# KiCad board panel.kicad_pcb (continued)
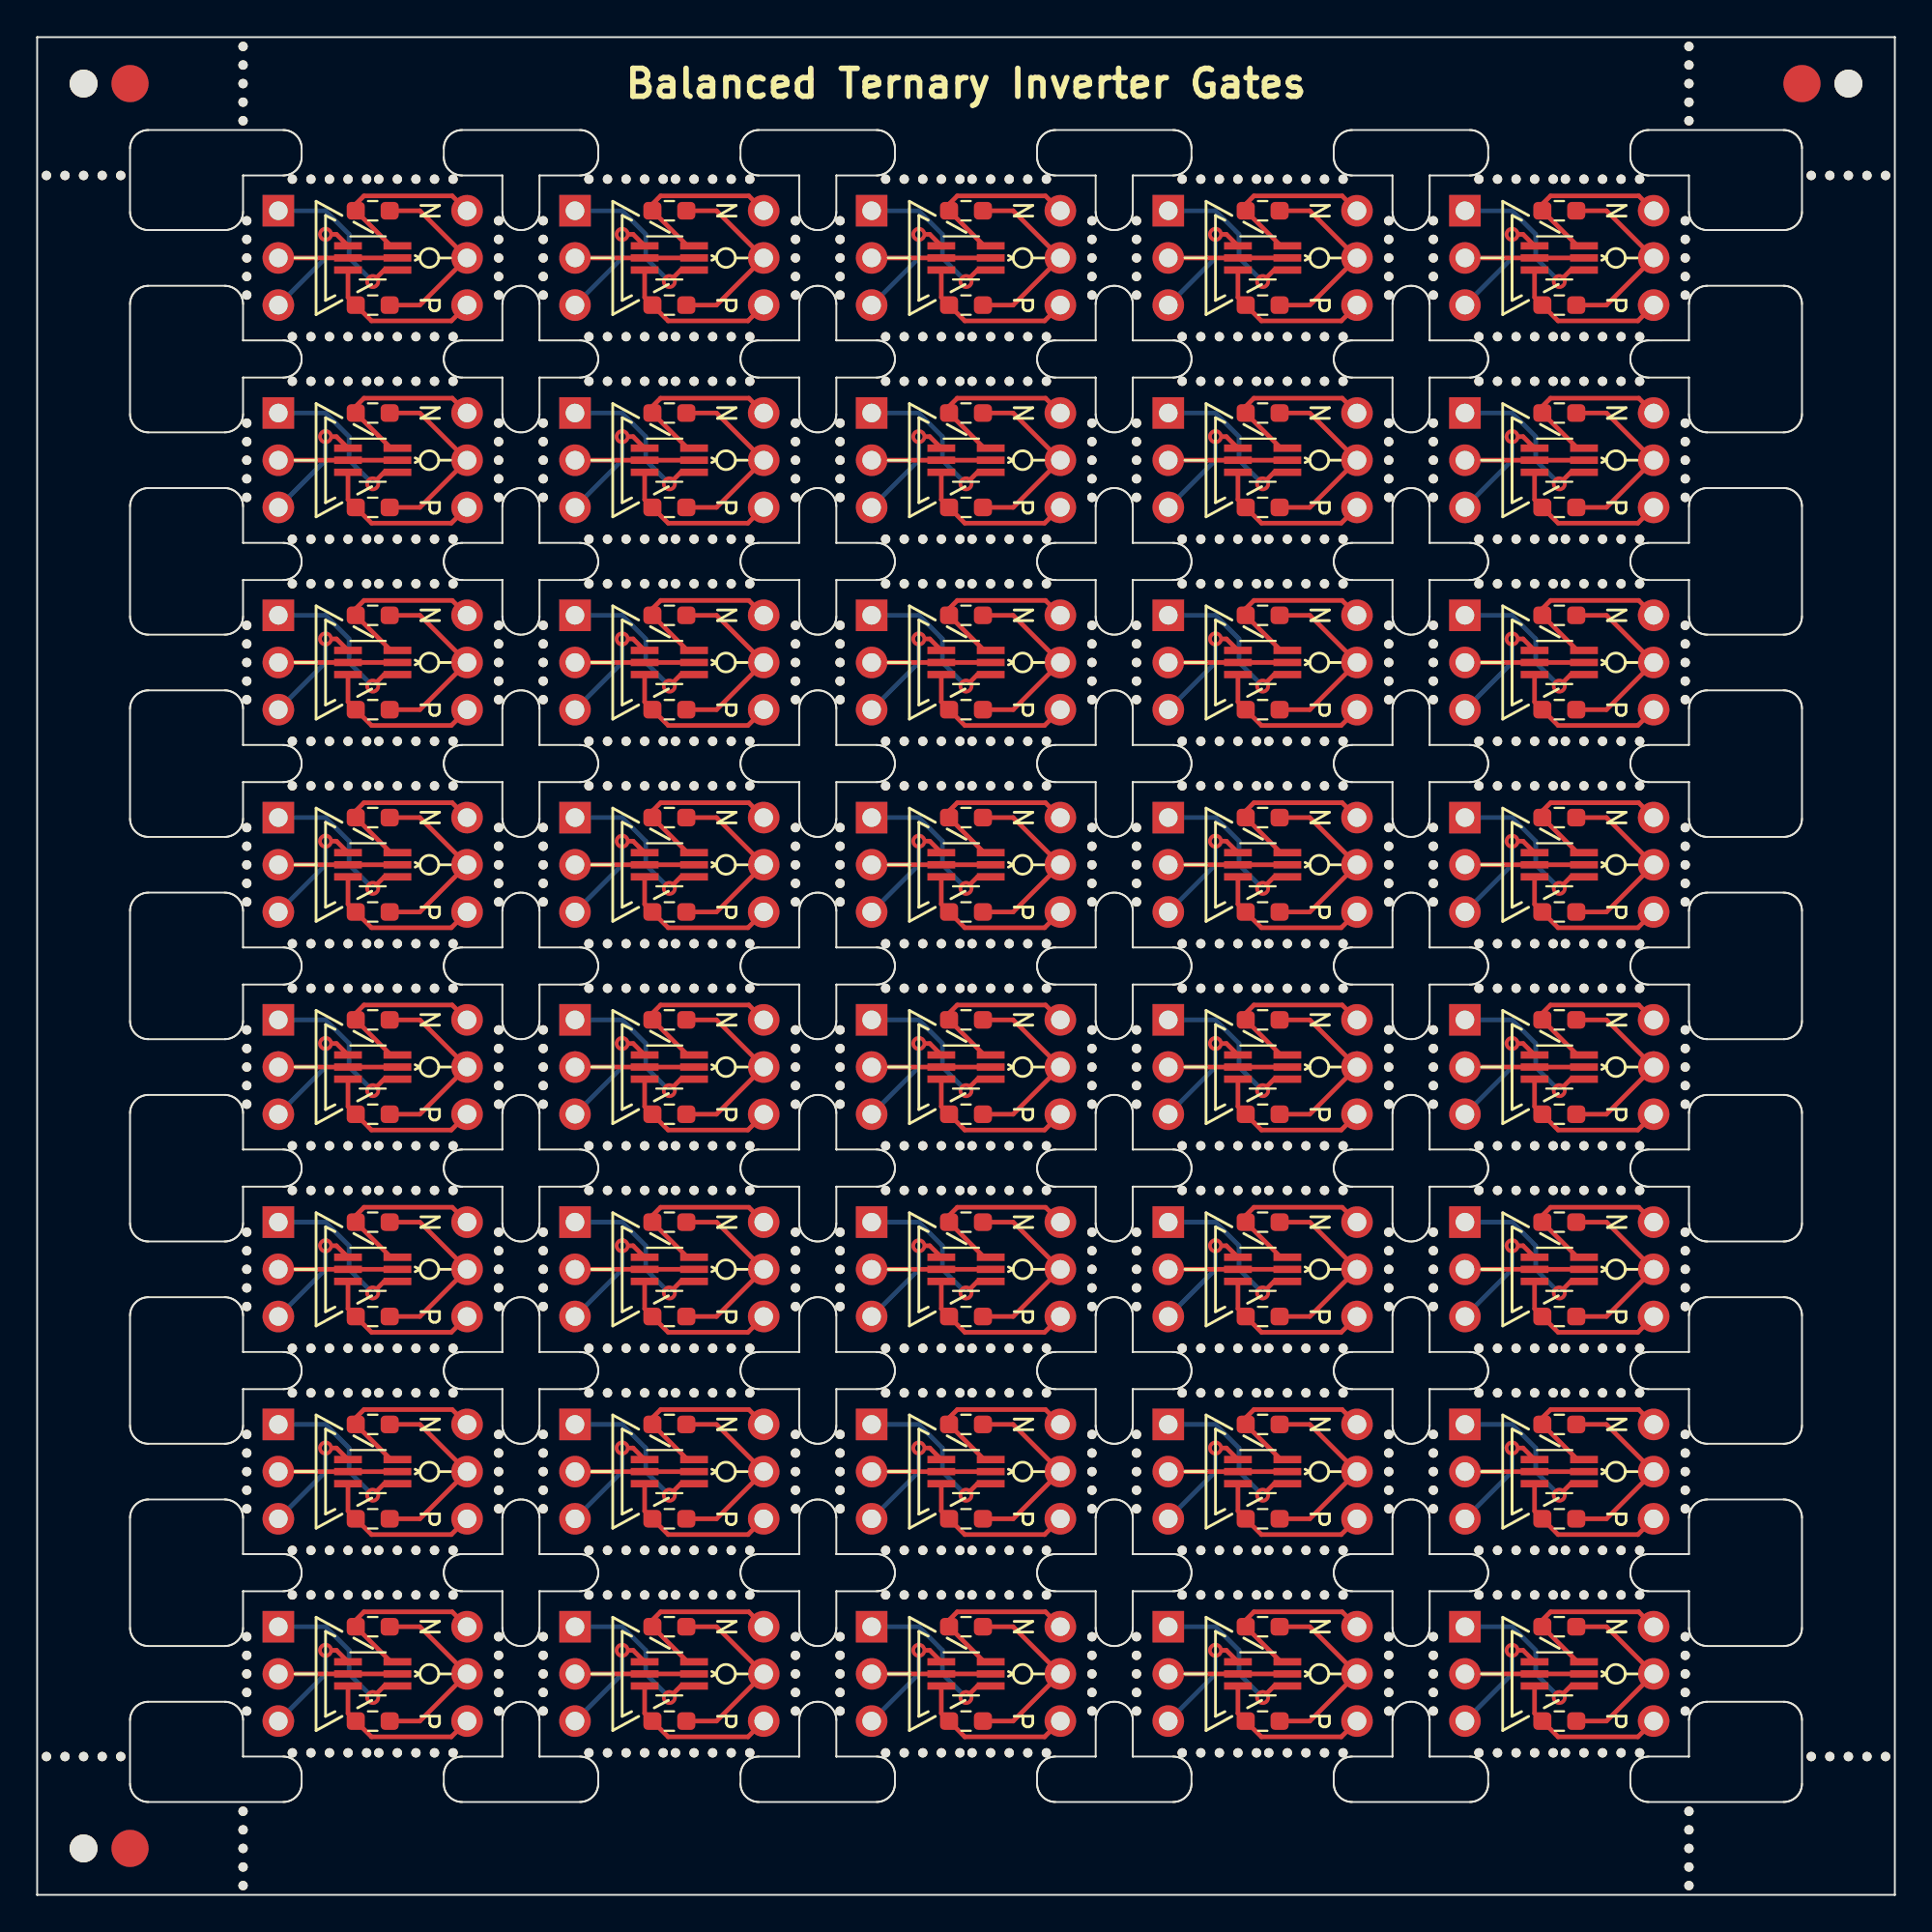
[diagram p0: board, top side]
## Placement (name value [footprint] x y rotation side) (continued)
REF**#854  -  [NPTH]  75.17 68.35 0 top
REF**#855  -  [NPTH]  16.74 62.11 0 top
REF**#856  -  [NPTH]  40.83 90.13 0 top
REF**#857  -  [NPTH]  79.62 83.89 0 top
REF**#858  -  [NPTH]  34.37 27.03 0 top
REF**#859  -  [NPTH]  27.24 79.24 0 top
REF**#860  -  [NPTH]  59.19 89.13 0 top
REF**#861  -  [NPTH]  84.27 62.11 0 top
REF**#862  -  [NPTH]  14.74 81.49 0 top
REF**#863  -  [NPTH]  32.7 83.89 0 top
REF**#864  -  [NPTH]  79.62 37.93 0 top
REF**#865  -  [NPTH]  85.27 37.93 0 top
REF**#866  -  [NPTH]  78.62 7.65 0 top
REF**#867  -  [NPTH]  75.17 45.57 0 top
REF**#868  -  [NPTH]  59.19 67.35 0 top
REF**#869  -  [NPTH]  51.33 92.37 0 top
REF**#870  -  [NPTH]  78.62 29.43 0 top
REF**#871  -  [NPTH]  36.37 72.99 0 top
REF**#872  -  [NPTH]  11.09 98.51 0 top
REF**#873  -  [NPTH]  72.77 64.35 0 top
REF**#874  -  [NPTH]  63.64 59.71 0 top
REF**#875  -  [NPTH]  61.64 72.99 0 top
REF**#876  -  [NPTH]  11.29 64.35 0 top
REF**#877  -  [NPTH]  88.92 0.5 0 top
REF**#878  -  [NPTH]  24.84 66.35 0 top
REF**#879  -  [NPTH]  48.68 81.49 0 top
REF**#880  -  [NPTH]  35.37 40.33 0 top
REF**#881  -  [NPTH]  35.37 37.93 0 top
REF**#882  -  [NPTH]  63.64 72.99 0 top
REF**#883  -  [NPTH]  35.37 92.37 0 top
REF**#884  -  [NPTH]  16.74 51.21 0 top
REF**#885  -  [NPTH]  19.39 81.49 0 top
REF**#886  -  [NPTH]  11.29 31.68 0 top
REF**#887  -  [NPTH]  37.37 7.65 0 top
REF**#888  -  [NPTH]  75.17 86.13 0 top
REF**#889  -  [NPTH]  11.29 12.9 0 top
REF**#890  -  [NPTH]  62.64 27.03 0 top
REF**#891  -  [NPTH]  31.7 81.49 0 top
REF**#892  -  [NPTH]  79.62 27.03 0 top
REF**#893  -  [NPTH]  14.74 92.37 0 top
REF**#894  -  [NPTH]  56.78 34.68 0 top
REF**#895  -  [NPTH]  29.7 81.49 0 top
REF**#896  -  [NPTH]  75.17 66.35 0 top
REF**#897  -  [NPTH]  52.33 70.59 0 top
REF**#898  -  [NPTH]  49.68 27.03 0 top
REF**#899  -  [NPTH]  31.7 16.15 0 top
REF**#900  -  [NPTH]  52.33 18.55 0 top
REF**#901  -  [NPTH]  50.33 72.99 0 top
REF**#902  -  [NPTH]  31.7 7.65 0 top
REF**#903  -  [NPTH]  88.72 21.79 0 top
REF**#904  -  [NPTH]  53.33 7.65 0 top
REF**#905  -  [NPTH]  15.74 70.59 0 top
REF**#906  -  [NPTH]  11.29 77.24 0 top
REF**#907  -  [NPTH]  34.37 18.55 0 top
REF**#908  -  [NPTH]  14.74 62.11 0 top
REF**#909  -  [NPTH]  66.31 37.93 0 top
REF**#910  -  [NPTH]  29.7 40.33 0 top
REF**#911  -  [NPTH]  43.23 42.57 0 top
REF**#912  -  [NPTH]  51.33 40.33 0 top
REF**#913  -  [NPTH]  48.68 62.11 0 top
REF**#914  -  [NPTH]  27.24 32.68 0 top
REF**#915  -  [NPTH]  62.64 29.43 0 top
REF**#916  -  [NPTH]  37.37 72.99 0 top
REF**#917  -  [NPTH]  86.27 48.81 0 top
REF**#918  -  [NPTH]  53.33 59.71 0 top
REF**#919  -  [NPTH]  88.72 31.68 0 top
REF**#920  -  [NPTH]  70.31 18.55 0 top
REF**#921  -  [NPTH]  45.68 70.59 0 top
REF**#922  -  [NPTH]  80.62 48.81 0 top
REF**#923  -  [NPTH]  47.68 7.65 0 top
REF**#924  -  [NPTH]  31.7 59.71 0 top
REF**#925  -  [NPTH]  82.27 51.21 0 top
REF**#926  -  [NPTH]  21.39 92.37 0 top
REF**#927  -  [NPTH#2]  97.51 97.51 0 top
REF**#928  -  [NPTH]  43.23 23.79 0 top
REF**#929  -  [NPTH]  63.64 51.21 0 top
REF**#930  -  [NPTH]  65.64 72.99 0 top
REF**#931  -  [NPTH]  86.27 37.93 0 top
REF**#932  -  [NPTH]  78.62 59.71 0 top
REF**#933  -  [NPTH]  88.72 33.68 0 top
REF**#934  -  [NPTH]  54.33 62.11 0 top
REF**#935  -  [NPTH]  24.84 57.46 0 top
REF**#936  -  [NPTH]  30.7 48.81 0 top
REF**#937  -  [NPTH]  88.92 96.51 0 top
REF**#938  -  [NPTH]  11.29 53.46 0 top
REF**#939  -  [NPTH]  59.19 76.24 0 top
REF**#940  -  [NPTH]  32.7 27.03 0 top
REF**#941  -  [NPTH]  82.27 59.71 0 top
REF**#942  -  [NPTH]  88.72 89.13 0 top
REF**#943  -  [NPTH]  75.17 77.24 0 top
REF**#944  -  [NPTH]  40.83 23.79 0 top
REF**#945  -  [NPTH]  27.24 53.46 0 top
REF**#946  -  [NPTH]  11.09 0.5 0 top
REF**#947  -  [NPTH]  32.7 7.65 0 top
REF**#948  -  [NPTH]  46.68 59.71 0 top
REF**#949  -  [NPTH]  11.29 9.9 0 top
REF**#950  -  [NPTH]  11.29 57.46 0 top
REF**#951  -  [NPTH]  47.68 81.49 0 top
REF**#952  -  [NPTH]  83.27 83.89 0 top
REF**#953  -  [NPTH]  34.37 70.59 0 top
REF**#954  -  [NPTH]  27.24 86.13 0 top
REF**#955  -  [NPTH]  20.39 70.59 0 top
REF**#956  -  [NPTH]  1.5 92.57 0 top
REF**#957  -  [NPTH]  64.64 92.37 0 top
REF**#958  -  [NPTH]  33.7 27.03 0 top
REF**#959  -  [NPTH]  14.74 37.93 0 top
REF**#960  -  [NPTH]  88.72 65.35 0 top
REF**#961  -  [NPTH]  81.62 81.49 0 top
REF**#962  -  [NPTH]  34.37 62.11 0 top
REF**#963  -  [NPTH]  95.51 7.45 0 top
REF**#964  -  [NPTH]  72.77 43.57 0 top
REF**#965  -  [NPTH]  40.83 87.13 0 top
REF**#966  -  [NPTH#2]  2.5 97.51 0 top
REF**#967  -  [NPTH]  35.37 72.99 0 top
REF**#968  -  [NPTH]  75.17 12.9 0 top
REF**#969  -  [NPTH]  32.7 59.71 0 top
REF**#970  -  [NPTH]  27.24 89.13 0 top
REF**#971  -  [NPTH]  59.19 45.57 0 top
REF**#972  -  [NPTH]  51.33 62.11 0 top
REF**#973  -  [NPTH]  36.37 7.65 0 top
REF**#974  -  [NPTH]  15.74 81.49 0 top
REF**#975  -  [NPTH]  40.83 13.9 0 top
REF**#976  -  [NPTH]  68.31 7.65 0 top
REF**#977  -  [NPTH]  61.64 59.71 0 top
REF**#978  -  [NPTH]  43.23 46.57 0 top
REF**#979  -  [NPTH]  14.74 7.65 0 top
REF**#980  -  [NPTH]  24.84 67.35 0 top
REF**#981  -  [NPTH]  85.27 7.65 0 top
REF**#982  -  [NPTH]  27.24 65.35 0 top
REF**#983  -  [NPTH]  22.39 62.11 0 top
REF**#984  -  [NPTH]  72.77 55.46 0 top
REF**#985  -  [NPTH]  75.17 21.79 0 top
REF**#986  -  [NPTH]  70.31 48.81 0 top
REF**#987  -  [NPTH]  66.31 62.11 0 top
REF**#988  -  [NPTH]  80.62 81.49 0 top
REF**#989  -  [NPTH]  11.29 33.68 0 top
REF**#990  -  [NPTH]  75.17 33.68 0 top
REF**#991  -  [NPTH]  84.27 29.43 0 top
REF**#992  -  [NPTH]  36.37 59.71 0 top
REF**#993  -  [NPTH]  45.68 7.65 0 top
REF**#994  -  [NPTH]  37.37 92.37 0 top
REF**#995  -  [NPTH]  88.72 77.24 0 top
REF**#996  -  [NPTH]  47.68 29.43 0 top
REF**#997  -  [NPTH]  82.27 40.33 0 top
REF**#998  -  [NPTH]  81.62 16.15 0 top
REF**#999  -  [NPTH]  15.74 72.99 0 top
REF**#1000  -  [NPTH]  45.68 27.03 0 top
REF**#1001  -  [NPTH]  36.37 83.89 0 top
REF**#1002  -  [NPTH]  84.27 92.37 0 top
REF**#1003  -  [NPTH]  66.31 72.99 0 top
REF**#1004  -  [NPTH]  79.62 72.99 0 top
REF**#1005  -  [NPTH]  48.68 51.21 0 top
REF**#1006  -  [NPTH]  46.68 92.37 0 top
REF**#1007  -  [NPTH]  85.27 62.11 0 top
REF**#1008  -  [NPTH]  32.7 51.21 0 top
REF**#1009  -  [NPTH]  49.68 18.55 0 top
REF**#1010  -  [NPTH]  20.39 37.93 0 top
REF**#1011  -  [NPTH]  75.17 78.24 0 top
REF**#1012  -  [NPTH]  11.29 21.79 0 top
REF**#1013  -  [NPTH]  56.78 66.35 0 top
REF**#1014  -  [NPTH]  80.62 16.15 0 top
REF**#1015  -  [NPTH]  43.23 89.13 0 top
REF**#1016  -  [NPTH]  88.92 98.51 0 top
REF**#1017  -  [NPTH]  29.7 59.71 0 top
REF**#1018  -  [NPTH]  82.27 92.37 0 top
REF**#1019  -  [NPTH]  32.7 81.49 0 top
REF**#1020  -  [NPTH]  56.78 45.57 0 top
REF**#1021  -  [NPTH]  24.84 22.79 0 top
REF**#1022  -  [NPTH]  34.37 81.49 0 top
REF**#1023  -  [NPTH]  77.62 40.33 0 top
REF**#1024  -  [NPTH]  19.39 18.55 0 top
REF**#1025  -  [NPTH]  53.33 81.49 0 top
REF**#1026  -  [NPTH]  72.77 31.68 0 top
REF**#1027  -  [NPTH]  40.83 64.35 0 top
REF**#1028  -  [NPTH]  29.7 27.03 0 top
REF**#1029  -  [NPTH]  51.33 27.03 0 top
REF**#1030  -  [NPTH]  15.74 7.65 0 top
REF**#1031  -  [NPTH]  49.68 83.89 0 top
REF**#1032  -  [NPTH]  31.7 62.11 0 top
REF**#1033  -  [NPTH]  62.64 40.33 0 top
REF**#1034  -  [NPTH]  34.37 59.71 0 top
REF**#1035  -  [NPTH]  68.31 40.33 0 top
REF**#1036  -  [NPTH]  43.23 44.57 0 top
REF**#1037  -  [NPTH]  59.19 44.57 0 top
REF**#1038  -  [NPTH]  86.27 81.49 0 top
REF**#1039  -  [NPTH]  66.31 29.43 0 top
REF**#1040  -  [NPTH]  24.84 32.68 0 top
REF**#1041  -  [NPTH]  86.27 18.55 0 top
REF**#1042  -  [NPTH]  45.68 40.33 0 top
REF**#1043  -  [NPTH]  27.24 78.24 0 top
REF**#1044  -  [NPTH]  68.31 27.03 0 top
REF**#1045  -  [NPTH]  78.62 48.81 0 top
REF**#1046  -  [NPTH]  40.83 33.68 0 top
REF**#1047  -  [NPTH]  88.72 45.57 0 top
REF**#1048  -  [NPTH]  15.74 59.71 0 top
REF**#1049  -  [NPTH]  27.24 34.68 0 top
REF**#1050  -  [NPTH]  79.62 7.65 0 top
REF**#1051  -  [NPTH]  59.19 77.24 0 top
REF**#1052  -  [NPTH]  80.62 70.59 0 top
REF**#1053  -  [NPTH]  17.74 72.99 0 top
REF**#1054  -  [NPTH]  75.17 75.24 0 top
REF**#1055  -  [NPTH]  88.72 66.35 0 top
REF**#1056  -  [NPTH]  70.31 81.49 0 top
REF**#1057  -  [NPTH]  62.64 51.21 0 top
REF**#1058  -  [NPTH]  37.37 29.43 0 top
REF**#1059  -  [NPTH]  59.19 32.68 0 top
REF**#1060  -  [NPTH]  84.27 83.89 0 top
REF**#1061  -  [NPTH]  24.84 24.79 0 top
REF**#1062  -  [NPTH]  82.27 48.81 0 top
REF**#1063  -  [NPTH]  88.72 9.9 0 top
REF**#1064  -  [NPTH]  15.74 37.93 0 top
REF**#1065  -  [NPTH]  45.68 59.71 0 top
REF**#1066  -  [NPTH]  62.64 59.71 0 top
REF**#1067  -  [NPTH]  35.37 7.65 0 top
REF**#1068  -  [NPTH]  64.64 27.03 0 top
REF**#1069  -  [NPTH]  35.37 51.21 0 top
REF**#1070  -  [NPTH]  56.78 33.68 0 top
REF**#1071  -  [NPTH]  18.39 92.37 0 top
REF**#1072  -  [NPTH]  56.78 20.79 0 top
REF**#1073  -  [NPTH]  68.31 48.81 0 top
REF**#1074  -  [NPTH]  35.37 48.81 0 top
REF**#1075  -  [NPTH]  22.39 40.33 0 top
REF**#1076  -  [NPTH]  80.62 7.65 0 top
REF**#1077  -  [NPTH]  59.19 23.79 0 top
REF**#1078  -  [NPTH]  72.77 68.35 0 top
REF**#1079  -  [NPTH]  45.68 18.55 0 top
REF**#1080  -  [NPTH]  2.5 92.57 0 top
REF**#1081  -  [NPTH]  66.31 70.59 0 top
REF**#1082  -  [NPTH]  59.19 88.13 0 top
REF**#1083  -  [NPTH]  43.23 43.57 0 top
REF**#1084  -  [NPTH]  21.39 40.33 0 top
REF**#1085  -  [NPTH]  88.92 99.51 0 top
REF**#1086  -  [NPTH]  72.77 54.46 0 top
REF**#1087  -  [NPTH]  13.74 29.43 0 top
REF**#1088  -  [NPTH]  88.72 44.57 0 top
REF**#1089  -  [NPTH]  36.37 40.33 0 top
REF**#1090  -  [NPTH]  65.64 16.15 0 top
REF**#1091  -  [NPTH]  38.37 48.81 0 top
REF**#1092  -  [NPTH]  69.31 51.21 0 top
REF**#1093  -  [NPTH]  17.74 83.89 0 top
REF**#1094  -  [NPTH]  67.31 83.89 0 top
REF**#1095  -  [NPTH]  51.33 37.93 0 top
REF**#1096  -  [NPTH]  46.68 83.89 0 top
REF**#1097  -  [NPTH]  72.77 56.46 0 top
REF**#1098  -  [NPTH]  49.68 59.71 0 top
REF**#1099  -  [NPTH]  40.83 12.9 0 top
REF**#1100  -  [NPTH]  72.77 32.68 0 top
REF**#1101  -  [NPTH]  38.37 62.11 0 top
REF**#1102  -  [NPTH]  61.64 29.43 0 top
REF**#1103  -  [NPTH]  11.29 86.13 0 top
REF**#1104  -  [NPTH]  86.27 40.33 0 top
REF**#1105  -  [NPTH]  18.39 51.21 0 top
REF**#1106  -  [NPTH]  11.29 55.46 0 top
REF**#1107  -  [NPTH]  30.7 18.55 0 top
REF**#1108  -  [NPTH]  75.17 32.68 0 top
REF**#1109  -  [NPTH]  81.62 51.21 0 top
REF**#1110  -  [NPTH]  16.74 92.37 0 top
REF**#1111  -  [NPTH]  79.62 62.11 0 top
REF**#1112  -  [NPTH]  64.64 81.49 0 top
REF**#1113  -  [NPTH]  65.64 48.81 0 top
REF**#1114  -  [NPTH]  79.62 18.55 0 top
REF**#1115  -  [NPTH]  68.31 51.21 0 top
REF**#1116  -  [NPTH]  50.33 70.59 0 top
REF**#1117  -  [NPTH]  67.31 18.55 0 top
REF**#1118  -  [NPTH]  52.33 16.15 0 top
REF**#1119  -  [NPTH]  88.72 11.9 0 top
REF**#1120  -  [NPTH]  62.64 16.15 0 top
REF**#1121  -  [NPTH]  29.7 7.65 0 top
REF**#1122  -  [NPTH]  49.68 37.93 0 top
REF**#1123  -  [NPTH]  86.27 72.99 0 top
REF**#1124  -  [NPTH]  67.31 48.81 0 top
REF**#1125  -  [NPTH]  20.39 40.33 0 top
REF**#1126  -  [NPTH]  36.37 51.21 0 top
REF**#1127  -  [NPTH]  43.23 35.68 0 top
REF**#1128  -  [NPTH]  48.68 59.71 0 top
REF**#1129  -  [NPTH]  61.64 40.33 0 top
REF**#1130  -  [NPTH]  52.33 62.11 0 top
REF**#1131  -  [NPTH]  70.31 37.93 0 top
REF**#1132  -  [NPTH]  67.31 29.43 0 top
REF**#1133  -  [NPTH]  61.64 18.55 0 top
REF**#1134  -  [NPTH]  63.64 81.49 0 top
REF**#1135  -  [NPTH]  75.17 44.57 0 top
REF**#1136  -  [NPTH]  14.74 18.55 0 top
REF**#1137  -  [NPTH]  88.72 64.35 0 top
REF**#1138  -  [NPTH]  17.74 92.37 0 top
REF**#1139  -  [NPTH]  43.23 79.24 0 top
REF**#1140  -  [NPTH]  52.33 51.21 0 top
REF**#1141  -  [NPTH]  59.19 12.9 0 top
REF**#1142  -  [NPTH]  80.62 72.99 0 top
REF**#1143  -  [NPTH]  69.31 72.99 0 top
REF**#1144  -  [NPTH]  24.84 64.35 0 top
REF**#1145  -  [NPTH]  75.17 43.57 0 top
REF**#1146  -  [NPTH]  18.39 40.33 0 top
REF**#1147  -  [NPTH]  77.62 83.89 0 top
REF**#1148  -  [NPTH]  27.24 33.68 0 top
REF**#1149  -  [NPTH]  88.72 86.13 0 top
REF**#1150  -  [NPTH]  64.64 37.93 0 top
REF**#1151  -  [NPTH]  43.23 12.9 0 top
REF**#1152  -  [NPTH]  72.77 42.57 0 top
REF**#1153  -  [NPTH]  20.39 27.03 0 top
REF**#1154  -  [NPTH]  83.27 62.11 0 top
REF**#1155  -  [NPTH]  79.62 51.21 0 top
REF**#1156  -  [NPTH]  34.37 40.33 0 top
REF**#1157  -  [NPTH]  47.68 16.15 0 top
REF**#1158  -  [NPTH]  61.64 83.89 0 top
REF**#1159  -  [NPTH]  48.68 72.99 0 top
REF**#1160  -  [NPTH]  50.33 92.37 0 top
REF**#1161  -  [NPTH]  80.62 40.33 0 top
REF**#1162  -  [NPTH]  77.62 37.93 0 top
REF**#1163  -  [NPTH]  54.33 70.59 0 top
REF**#1164  -  [NPTH]  56.78 54.46 0 top
REF**#1165  -  [NPTH]  11.29 44.57 0 top
REF**#1166  -  [NPTH]  79.62 92.37 0 top
REF**#1167  -  [NPTH]  69.31 92.37 0 top
REF**#1168  -  [NPTH]  86.27 29.43 0 top
REF**#1169  -  [NPTH]  78.62 70.59 0 top
REF**#1170  -  [NPTH]  11.09 97.51 0 top
REF**#1171  -  [NPTH]  34.37 83.89 0 top
REF**#1172  -  [NPTH]  13.74 7.65 0 top
REF**#1173  -  [NPTH]  11.29 75.24 0 top
REF**#1174  -  [NPTH]  50.33 7.65 0 top
REF**#1175  -  [NPTH]  40.83 55.46 0 top
REF**#1176  -  [NPTH]  81.62 72.99 0 top
REF**#1177  -  [NPTH]  66.31 92.37 0 top
REF**#1178  -  [NPTH]  38.37 83.89 0 top
REF**#1179  -  [NPTH]  97.51 92.57 0 top
REF**#1180  -  [NPTH]  69.31 18.55 0 top
REF**#1181  -  [NPTH]  75.17 55.46 0 top
REF**#1182  -  [NPTH]  56.78 75.24 0 top
REF**#1183  -  [NPTH]  85.27 59.71 0 top
REF**#1184  -  [NPTH]  56.78 13.9 0 top
REF**#1185  -  [NPTH]  86.27 51.21 0 top
REF**#1186  -  [NPTH]  43.23 68.35 0 top
REF**#1187  -  [NPTH]  65.64 40.33 0 top
REF**#1188  -  [NPTH]  52.33 29.43 0 top
REF**#1189  -  [NPTH]  77.62 27.03 0 top
REF**#1190  -  [NPTH]  56.78 11.9 0 top
REF**#1191  -  [NPTH]  72.77 24.79 0 top
REF**#1192  -  [NPTH]  46.68 18.55 0 top
REF**#1193  -  [NPTH]  85.27 92.37 0 top
REF**#1194  -  [NPTH]  59.19 56.46 0 top
REF**#1195  -  [NPTH]  59.19 65.35 0 top
REF**#1196  -  [NPTH]  62.64 62.11 0 top
REF**#1197  -  [NPTH]  16.74 16.15 0 top
REF**#1198  -  [NPTH]  49.68 7.65 0 top
REF**#1199  -  [NPTH]  11.09 3.5 0 top
REF**#1200  -  [NPTH]  67.31 27.03 0 top
REF**#1201  -  [NPTH]  72.77 45.57 0 top
REF**#1202  -  [NPTH]  59.19 21.79 0 top
REF**#1203  -  [NPTH]  63.64 18.55 0 top
REF**#1204  -  [NPTH]  18.39 83.89 0 top
REF**#1205  -  [NPTH]  53.33 40.33 0 top
REF**#1206  -  [NPTH]  40.83 22.79 0 top
REF**#1207  -  [NPTH]  59.19 24.79 0 top
REF**#1208  -  [NPTH]  47.68 37.93 0 top
REF**#1209  -  [NPTH]  49.68 51.21 0 top
REF**#1210  -  [NPTH]  21.39 83.89 0 top
REF**#1211  -  [NPTH]  54.33 83.89 0 top
REF**#1212  -  [NPTH]  86.27 7.65 0 top
REF**#1213  -  [NPTH]  32.7 40.33 0 top
REF**#1214  -  [NPTH]  43.23 66.35 0 top
REF**#1215  -  [NPTH]  84.27 27.03 0 top
REF**#1216  -  [NPTH]  24.84 68.35 0 top
REF**#1217  -  [NPTH]  27.24 56.46 0 top
REF**#1218  -  [NPTH]  22.39 59.71 0 top
REF**#1219  -  [NPTH]  64.64 29.43 0 top
REF**#1220  -  [NPTH]  59.19 68.35 0 top
REF**#1221  -  [NPTH]  17.74 16.15 0 top
REF**#1222  -  [NPTH]  63.64 27.03 0 top
REF**#1223  -  [NPTH]  63.64 40.33 0 top
REF**#1224  -  [NPTH]  84.27 81.49 0 top
REF**#1225  -  [NPTH]  14.74 59.71 0 top
REF**#1226  -  [NPTH]  47.68 48.81 0 top
REF**#1227  -  [NPTH]  21.39 81.49 0 top
REF**#1228  -  [NPTH]  69.31 27.03 0 top
REF**#1229  -  [NPTH]  98.51 92.57 0 top
REF**#1230  -  [NPTH]  11.09 99.51 0 top
REF**#1231  -  [NPTH]  40.83 24.79 0 top
REF**#1232  -  [NPTH]  75.17 88.13 0 top
REF**#1233  -  [NPTH]  78.62 37.93 0 top
REF**#1234  -  [NPTH]  21.39 18.55 0 top
REF**#1235  -  [NPTH]  37.37 37.93 0 top
REF**#1236  -  [NPTH]  37.37 59.71 0 top
REF**#1237  -  [NPTH]  15.74 27.03 0 top
REF**#1238  -  [NPTH]  43.23 31.68 0 top
REF**#1239  -  [NPTH]  82.27 62.11 0 top
REF**#1240  -  [NPTH]  70.31 29.43 0 top
REF**#1241  -  [NPTH]  59.19 64.35 0 top
REF**#1242  -  [NPTH]  69.31 16.15 0 top
REF**#1243  -  [NPTH]  31.7 48.81 0 top
REF**#1244  -  [NPTH]  88.72 90.13 0 top
REF**#1245  -  [NPTH]  13.74 40.33 0 top
REF**#1246  -  [NPTH]  33.7 51.21 0 top
REF**#1247  -  [Fiducial]  95.01 97.51 0 bottom
REF**#1248  -  [Fiducial]  5 2.5 0 bottom
REF**#1249  -  [Fiducial]  5 97.51 0 bottom

## Library data of the parts
J1 J1#2-J1#40 = -: Spice_Model: R; Spice_Netlist_Enabled: N; Spice_Primitive: X
J2 J2#2-J2#40 = -: Spice_Netlist_Enabled: N; Spice_Primitive: X
Q1 Q1#2-Q1#40 = -: Spice_Lib_File: /lab/dev/tritium/library/TritiumSpice.lib; Spice_Model: BSS8402DW; Spice_Netlist_Enabled: Y; Spice_Primitive: X

## Footprints (pads in the part's own frame, mm; a bottom-side part is the same pattern mirrored in y, then rotated)
Fiducial
  round 2 smd: (0,0)
NPTH
  round 0.5 hole 0.5 unplated: (0,0)
NPTH#2
  round 1.5 hole 1.5 unplated: (0,0)
PinHeader_1x03_P2.54mm_Vertical_NoSilkscreen
  round 1.7 hole 1: 1(0,0)
  oval 1.7x1.7 hole 1: 2(0,-2.54) 3(0,-5.08)
PinHeader_1x03_P2.54mm_Vertical_NoSilkscreen#2
  rect 1.7x1.7 hole 1: 1(0,0)
  oval 1.7x1.7 hole 1: 2(0,-2.54) 3(0,-5.08)
R_0603_1608Metric_Pad0.98x0.95mm_HandSolder
  rrect 0.975x0.95 smd: 1(-0.912,0) 2(0.912,0)
SOT-363_SC-70-6_Handsoldering
  rect 1.5x0.4 smd: 1(-1.33,0.65) 2(-1.33,0) 3(-1.33,-0.65) 4(1.33,-0.65) 5(1.33,0) 6(1.33,0.65)

## Nets
Board_0-In: J1#22.2 Q1#39.2 Q1#39.5
Board_0-Nti: J2#25.1 Q1#39.6 R2#31.2
Board_0-Out: J2#25.2 R1#32.2 R2#31.1
Board_0-Pti: J2#25.3 Q1#39.3 R1#32.1
Board_0-VDD: J1#22.1 Q1#39.4
Board_0-VSS: J1#22.3 Q1#39.1
Board_1-In: J1#10.2 Q1#16.2 Q1#16.5
Board_1-Nti: J2#14.1 Q1#16.6 R2#10.2
Board_1-Out: J2#14.2 R1#33.2 R2#10.1
Board_1-Pti: J2#14.3 Q1#16.3 R1#33.1
Board_1-VDD: J1#10.1 Q1#16.4
Board_1-VSS: J1#10.3 Q1#16.1
Board_2-In: J1#33.2 Q1#37.2 Q1#37.5
Board_2-Nti: J2#4.1 Q1#37.6 R2#25.2
Board_2-Out: J2#4.2 R1#18.2 R2#25.1
Board_2-Pti: J2#4.3 Q1#37.3 R1#18.1
Board_2-VDD: J1#33.1 Q1#37.4
Board_2-VSS: J1#33.3 Q1#37.1
Board_3-In: J1#29.2 Q1#29.2 Q1#29.5
Board_3-Nti: J2#12.1 Q1#29.6 R2#22.2
Board_3-Out: J2#12.2 R1#28.2 R2#22.1
Board_3-Pti: J2#12.3 Q1#29.3 R1#28.1
Board_3-VDD: J1#29.1 Q1#29.4
Board_3-VSS: J1#29.3 Q1#29.1
Board_4-In: J1#12.2 Q1#19.2 Q1#19.5
Board_4-Nti: J2#24.1 Q1#19.6 R2#11.2
Board_4-Out: J2#24.2 R1#21.2 R2#11.1
Board_4-Pti: J2#24.3 Q1#19.3 R1#21.1
Board_4-VDD: J1#12.1 Q1#19.4
Board_4-VSS: J1#12.3 Q1#19.1
Board_5-In: J1#26.2 Q1#27.2 Q1#27.5
Board_5-Nti: J2#33.1 Q1#27.6 R2#33.2
Board_5-Out: J2#33.2 R1#7.2 R2#33.1
Board_5-Pti: J2#33.3 Q1#27.3 R1#7.1
Board_5-VDD: J1#26.1 Q1#27.4
Board_5-VSS: J1#26.3 Q1#27.1
Board_6-In: J1.2 Q1#14.2 Q1#14.5
Board_6-Nti: J2#19.1 Q1#14.6 R2#5.2
Board_6-Out: J2#19.2 R1#31.2 R2#5.1
Board_6-Pti: J2#19.3 Q1#14.3 R1#31.1
Board_6-VDD: J1.1 Q1#14.4
Board_6-VSS: J1.3 Q1#14.1
Board_7-In: J1#21.2 Q1.2 Q1.5
Board_7-Nti: J2#29.1 Q1.6 R2#13.2
Board_7-Out: J2#29.2 R1#30.2 R2#13.1
Board_7-Pti: J2#29.3 Q1.3 R1#30.1
Board_7-VDD: J1#21.1 Q1.4
Board_7-VSS: J1#21.3 Q1.1
Board_8-In: J1#36.2 Q1#33.2 Q1#33.5
Board_8-Nti: J2#2.1 Q1#33.6 R2#9.2
Board_8-Out: J2#2.2 R1#29.2 R2#9.1
Board_8-Pti: J2#2.3 Q1#33.3 R1#29.1
Board_8-VDD: J1#36.1 Q1#33.4
Board_8-VSS: J1#36.3 Q1#33.1
Board_9-In: J1#27.2 Q1#15.2 Q1#15.5
Board_9-Nti: J2.1 Q1#15.6 R2#40.2
Board_9-Out: J2.2 R1#11.2 R2#40.1
Board_9-Pti: J2.3 Q1#15.3 R1#11.1
Board_9-VDD: J1#27.1 Q1#15.4
Board_9-VSS: J1#27.3 Q1#15.1
Board_10-In: J1#13.2 Q1#18.2 Q1#18.5
Board_10-Nti: J2#20.1 Q1#18.6 R2#34.2
Board_10-Out: J2#20.2 R1#35.2 R2#34.1
Board_10-Pti: J2#20.3 Q1#18.3 R1#35.1
Board_10-VDD: J1#13.1 Q1#18.4
Board_10-VSS: J1#13.3 Q1#18.1
Board_11-In: J1#7.2 Q1#28.2 Q1#28.5
Board_11-Nti: J2#11.1 Q1#28.6 R2#17.2
Board_11-Out: J2#11.2 R1#36.2 R2#17.1
Board_11-Pti: J2#11.3 Q1#28.3 R1#36.1
Board_11-VDD: J1#7.1 Q1#28.4
Board_11-VSS: J1#7.3 Q1#28.1
Board_12-In: J1#3.2 Q1#20.2 Q1#20.5
Board_12-Nti: J2#21.1 Q1#20.6 R2#28.2
Board_12-Out: J2#21.2 R1#25.2 R2#28.1
Board_12-Pti: J2#21.3 Q1#20.3 R1#25.1
Board_12-VDD: J1#3.1 Q1#20.4
Board_12-VSS: J1#3.3 Q1#20.1
Board_13-In: J1#38.2 Q1#6.2 Q1#6.5
Board_13-Nti: J2#17.1 Q1#6.6 R2.2
Board_13-Out: J2#17.2 R1#10.2 R2.1
Board_13-Pti: J2#17.3 Q1#6.3 R1#10.1
Board_13-VDD: J1#38.1 Q1#6.4
Board_13-VSS: J1#38.3 Q1#6.1
Board_14-In: J1#34.2 Q1#5.2 Q1#5.5
Board_14-Nti: J2#30.1 Q1#5.6 R2#8.2
Board_14-Out: J2#30.2 R1#34.2 R2#8.1
Board_14-Pti: J2#30.3 Q1#5.3 R1#34.1
Board_14-VDD: J1#34.1 Q1#5.4
Board_14-VSS: J1#34.3 Q1#5.1
Board_15-In: J1#40.2 Q1#12.2 Q1#12.5
Board_15-Nti: J2#31.1 Q1#12.6 R2#21.2
Board_15-Out: J2#31.2 R1#3.2 R2#21.1
Board_15-Pti: J2#31.3 Q1#12.3 R1#3.1
Board_15-VDD: J1#40.1 Q1#12.4
Board_15-VSS: J1#40.3 Q1#12.1
Board_16-In: J1#37.2 Q1#35.2 Q1#35.5
Board_16-Nti: J2#38.1 Q1#35.6 R2#7.2
Board_16-Out: J2#38.2 R1#6.2 R2#7.1
Board_16-Pti: J2#38.3 Q1#35.3 R1#6.1
Board_16-VDD: J1#37.1 Q1#35.4
Board_16-VSS: J1#37.3 Q1#35.1
Board_17-In: J1#15.2 Q1#23.2 Q1#23.5
Board_17-Nti: J2#32.1 Q1#23.6 R2#27.2
Board_17-Out: J2#32.2 R1#15.2 R2#27.1
Board_17-Pti: J2#32.3 Q1#23.3 R1#15.1
Board_17-VDD: J1#15.1 Q1#23.4
Board_17-VSS: J1#15.3 Q1#23.1
Board_18-In: J1#14.2 Q1#38.2 Q1#38.5
Board_18-Nti: J2#37.1 Q1#38.6 R2#6.2
Board_18-Out: J2#37.2 R1#16.2 R2#6.1
Board_18-Pti: J2#37.3 Q1#38.3 R1#16.1
Board_18-VDD: J1#14.1 Q1#38.4
Board_18-VSS: J1#14.3 Q1#38.1
Board_19-In: J1#17.2 Q1#9.2 Q1#9.5
Board_19-Nti: J2#36.1 Q1#9.6 R2#16.2
Board_19-Out: J2#36.2 R1#13.2 R2#16.1
Board_19-Pti: J2#36.3 Q1#9.3 R1#13.1
Board_19-VDD: J1#17.1 Q1#9.4
Board_19-VSS: J1#17.3 Q1#9.1
Board_20-In: J1#11.2 Q1#8.2 Q1#8.5
Board_20-Nti: J2#3.1 Q1#8.6 R2#3.2
Board_20-Out: J2#3.2 R1#27.2 R2#3.1
Board_20-Pti: J2#3.3 Q1#8.3 R1#27.1
Board_20-VDD: J1#11.1 Q1#8.4
Board_20-VSS: J1#11.3 Q1#8.1
Board_21-In: J1#35.2 Q1#40.2 Q1#40.5
Board_21-Nti: J2#9.1 Q1#40.6 R2#4.2
Board_21-Out: J2#9.2 R1.2 R2#4.1
Board_21-Pti: J2#9.3 Q1#40.3 R1.1
Board_21-VDD: J1#35.1 Q1#40.4
Board_21-VSS: J1#35.3 Q1#40.1
Board_22-In: J1#5.2 Q1#36.2 Q1#36.5
Board_22-Nti: J2#28.1 Q1#36.6 R2#39.2
Board_22-Out: J2#28.2 R1#38.2 R2#39.1
Board_22-Pti: J2#28.3 Q1#36.3 R1#38.1
Board_22-VDD: J1#5.1 Q1#36.4
Board_22-VSS: J1#5.3 Q1#36.1
Board_23-In: J1#39.2 Q1#30.2 Q1#30.5
Board_23-Nti: J2#22.1 Q1#30.6 R2#2.2
Board_23-Out: J2#22.2 R1#5.2 R2#2.1
Board_23-Pti: J2#22.3 Q1#30.3 R1#5.1
Board_23-VDD: J1#39.1 Q1#30.4
Board_23-VSS: J1#39.3 Q1#30.1
Board_24-In: J1#32.2 Q1#24.2 Q1#24.5
Board_24-Nti: J2#6.1 Q1#24.6 R2#20.2
Board_24-Out: J2#6.2 R1#14.2 R2#20.1
Board_24-Pti: J2#6.3 Q1#24.3 R1#14.1
Board_24-VDD: J1#32.1 Q1#24.4
Board_24-VSS: J1#32.3 Q1#24.1
Board_25-In: J1#16.2 Q1#17.2 Q1#17.5
Board_25-Nti: J2#40.1 Q1#17.6 R2#29.2
Board_25-Out: J2#40.2 R1#40.2 R2#29.1
Board_25-Pti: J2#40.3 Q1#17.3 R1#40.1
Board_25-VDD: J1#16.1 Q1#17.4
Board_25-VSS: J1#16.3 Q1#17.1
Board_26-In: J1#30.2 Q1#31.2 Q1#31.5
Board_26-Nti: J2#16.1 Q1#31.6 R2#26.2
Board_26-Out: J2#16.2 R1#37.2 R2#26.1
Board_26-Pti: J2#16.3 Q1#31.3 R1#37.1
Board_26-VDD: J1#30.1 Q1#31.4
Board_26-VSS: J1#30.3 Q1#31.1
Board_27-In: J1#23.2 Q1#32.2 Q1#32.5
Board_27-Nti: J2#10.1 Q1#32.6 R2#19.2
Board_27-Out: J2#10.2 R1#23.2 R2#19.1
Board_27-Pti: J2#10.3 Q1#32.3 R1#23.1
Board_27-VDD: J1#23.1 Q1#32.4
Board_27-VSS: J1#23.3 Q1#32.1
Board_28-In: J1#2.2 Q1#11.2 Q1#11.5
Board_28-Nti: J2#8.1 Q1#11.6 R2#12.2
Board_28-Out: J2#8.2 R1#26.2 R2#12.1
Board_28-Pti: J2#8.3 Q1#11.3 R1#26.1
Board_28-VDD: J1#2.1 Q1#11.4
Board_28-VSS: J1#2.3 Q1#11.1
Board_29-In: J1#4.2 Q1#13.2 Q1#13.5
Board_29-Nti: J2#39.1 Q1#13.6 R2#32.2
Board_29-Out: J2#39.2 R1#9.2 R2#32.1
Board_29-Pti: J2#39.3 Q1#13.3 R1#9.1
Board_29-VDD: J1#4.1 Q1#13.4
Board_29-VSS: J1#4.3 Q1#13.1
Board_30-In: J1#25.2 Q1#2.2 Q1#2.5
Board_30-Nti: J2#13.1 Q1#2.6 R2#18.2
Board_30-Out: J2#13.2 R1#12.2 R2#18.1
Board_30-Pti: J2#13.3 Q1#2.3 R1#12.1
Board_30-VDD: J1#25.1 Q1#2.4
Board_30-VSS: J1#25.3 Q1#2.1
Board_31-In: J1#18.2 Q1#21.2 Q1#21.5
Board_31-Nti: J2#5.1 Q1#21.6 R2#24.2
Board_31-Out: J2#5.2 R1#39.2 R2#24.1
Board_31-Pti: J2#5.3 Q1#21.3 R1#39.1
Board_31-VDD: J1#18.1 Q1#21.4
Board_31-VSS: J1#18.3 Q1#21.1
Board_32-In: J1#28.2 Q1#7.2 Q1#7.5
Board_32-Nti: J2#34.1 Q1#7.6 R2#37.2
Board_32-Out: J2#34.2 R1#4.2 R2#37.1
Board_32-Pti: J2#34.3 Q1#7.3 R1#4.1
Board_32-VDD: J1#28.1 Q1#7.4
Board_32-VSS: J1#28.3 Q1#7.1
Board_33-In: J1#20.2 Q1#10.2 Q1#10.5
Board_33-Nti: J2#18.1 Q1#10.6 R2#23.2
Board_33-Out: J2#18.2 R1#19.2 R2#23.1
Board_33-Pti: J2#18.3 Q1#10.3 R1#19.1
Board_33-VDD: J1#20.1 Q1#10.4
Board_33-VSS: J1#20.3 Q1#10.1
Board_34-In: J1#8.2 Q1#4.2 Q1#4.5
Board_34-Nti: J2#23.1 Q1#4.6 R2#14.2
Board_34-Out: J2#23.2 R1#8.2 R2#14.1
Board_34-Pti: J2#23.3 Q1#4.3 R1#8.1
Board_34-VDD: J1#8.1 Q1#4.4
Board_34-VSS: J1#8.3 Q1#4.1
Board_35-In: J1#31.2 Q1#3.2 Q1#3.5
Board_35-Nti: J2#15.1 Q1#3.6 R2#15.2
Board_35-Out: J2#15.2 R1#17.2 R2#15.1
Board_35-Pti: J2#15.3 Q1#3.3 R1#17.1
Board_35-VDD: J1#31.1 Q1#3.4
Board_35-VSS: J1#31.3 Q1#3.1
Board_36-In: J1#6.2 Q1#26.2 Q1#26.5
Board_36-Nti: J2#26.1 Q1#26.6 R2#30.2
Board_36-Out: J2#26.2 R1#24.2 R2#30.1
Board_36-Pti: J2#26.3 Q1#26.3 R1#24.1
Board_36-VDD: J1#6.1 Q1#26.4
Board_36-VSS: J1#6.3 Q1#26.1
Board_37-In: J1#19.2 Q1#25.2 Q1#25.5
Board_37-Nti: J2#7.1 Q1#25.6 R2#35.2
Board_37-Out: J2#7.2 R1#22.2 R2#35.1
Board_37-Pti: J2#7.3 Q1#25.3 R1#22.1
Board_37-VDD: J1#19.1 Q1#25.4
Board_37-VSS: J1#19.3 Q1#25.1
Board_38-In: J1#24.2 Q1#34.2 Q1#34.5
Board_38-Nti: J2#35.1 Q1#34.6 R2#36.2
Board_38-Out: J2#35.2 R1#20.2 R2#36.1
Board_38-Pti: J2#35.3 Q1#34.3 R1#20.1
Board_38-VDD: J1#24.1 Q1#34.4
Board_38-VSS: J1#24.3 Q1#34.1